# KiCad board HVC-CPU-07.kicad_pcb (continued)
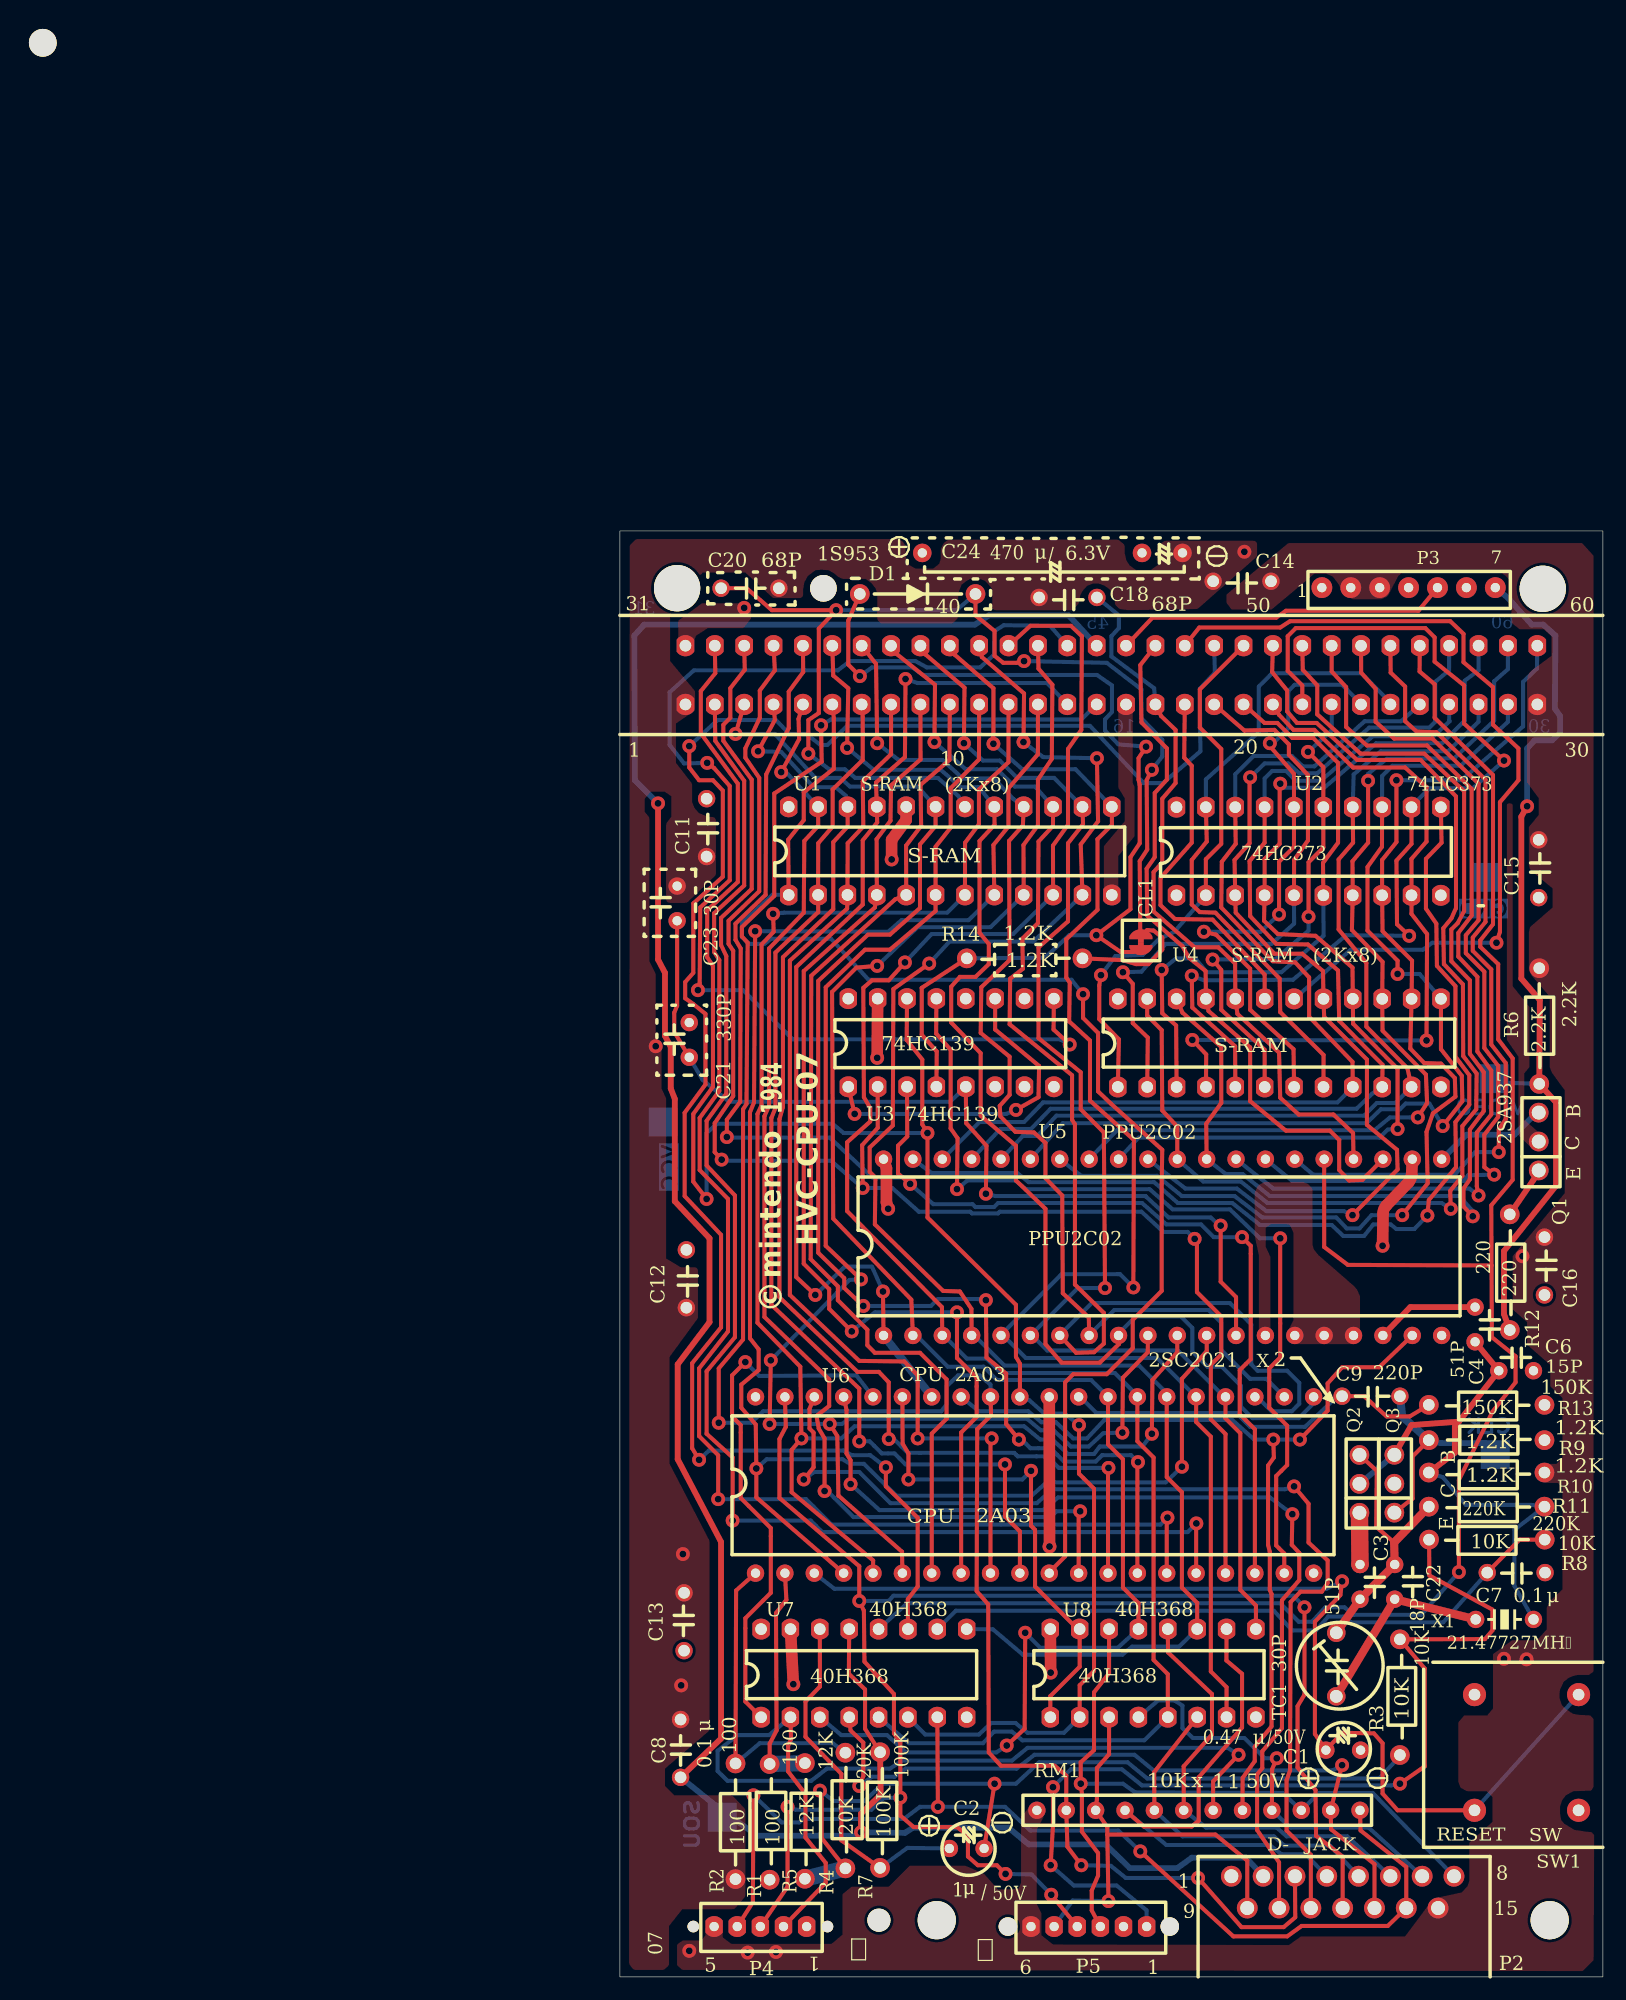
[diagram p0: board, top side]
## Routing (per net, layer and track width the routed paths; a pad name or vN(x,y) marks a point on that pad's centre or on a via; arc(x,y) is an arc through that point) (continued)
  Bottom w0.35: v1(40.05,84.95) 39.05,86.2 21.5,86.2 18.25,89.75 13.1,89.75 12.5,89.3 11.15,89.3 10.55,89.9 10.55,91.1 13.2,93.55 U1.1
/A8: length 103.4
  Top w0.35: U1.23 17.15,99.5 15.95,98.2 15.9,92 12.9,88.9 12.9,75.3 12.5,74.4 12.5,57.05 18.1,51.65 18.1,49.35 17,48.5 17.2,47.4 17.7,46.55 v1(17.7,42) ; v1(13.95,104.15) 15.5,107 15.45,108.75 P1.5 ; U6.12 39.67,40.12 v1(39.8,40.25)
  Bottom w0.35: v1(13.95,104.15) 14.55,103.95 U1.23 ; v1(39.8,40.25) 37.75,40.25 37.25,39.75 20.2,39.75 17.95,42 v1(17.7,42)
/A9: length 105.9
  Top w0.35: v1(11.95,105.95) 13.4,108.65 P1.4 ; U6.13 42.21,43.96 v1(42.25,44) ; U1.22 19.7,99.45 18.45,98.1 18.45,92.3 14.1,88.15 14.1,75.2 13.8,74.15 13.8,58.75 20.55,52.3 22.4,52.3 23.25,51.4 v1(23.25,46.5)
  Bottom w0.35: v1(11.95,105.95) 13.95,105.9 16.75,102.85 18.65,102.85 19.55,102.1 U1.22 ; v1(23.25,46.5) 23.7,46.5 24.9,45.3 34.1,45.3 34.4,45 36.95,45 37.95,44 v1(42.25,44)
/A10: length 118.2
  Top w0.35: v1(21.05,58) 19.4,59.55 19.4,60.4 17.15,62.6 17.15,86.1 21.45,90.1 23.35,90.1 25.95,92.4 25.95,97.9 27.3,99.5 U1.19 ; v1(34.5,46.45) 33.4,47.8 33.4,52.15 31.7,53.55 v1(31.65,58.5) ; v1(10,107.45) P1.3 ; v1(44.8,44.5) 44.75,44.45 U6.14
  Bottom w0.35: v1(34.5,46.45) 34.75,46.45 35.5,45.7 37.25,45.7 38.4,44.55 41.15,44.55 41.7,45.1 44.2,45.1 v1(44.8,44.5) ; v1(21.05,58) 26.9,58 27.5,58.6 30.9,58.6 v1(31.65,58.5) ; U1.19 25.75,102.9 19.9,102.9 19.05,103.65 16.9,103.65 13.4,107.45 v1(10,107.45)
/A11: length 118.7
  Top w0.35: U6.15 47.29,39.64 v1(47.35,39.7) ; v1(8.5,41.3) 8.5,45.1 6.85,46.75 6.85,52.6 9.35,55.8 9.35,67.25 6.9,69.75 6.9,74.25 8.6,76.6 8.6,87.9 8.15,88.6 8.15,91.95 10.75,94.35 10.75,103.4 8.25,106.85 P1.2
  Bottom w0.35: v1(47.35,39.7) 46.75,39.1 18.3,39.1 16.1,41.3 v1(8.5,41.3)
/A12: length 126.9
  Top w0.35: P1.33 10.8,113 9.55,111.4 9.55,108.85 8.95,108.25 8.95,106.85 11.4,103.5 11.4,94.05 8.75,91.55 8.75,89.2 9.2,88.25 9.2,76.35 7.5,74 7.5,70.15 9.95,67.55 9.95,55.3 7.5,52.35 7.5,46.95 9.75,44.9 v1(9.75,39.45) ; v1(49.85,39.2) 49.83,39.18 U6.16
  Bottom w0.35: v1(49.85,39.2) 49.1,38.45 17.5,38.45 16.5,39.45 v1(9.75,39.45)
/A13: length 131.2
  Top w0.35: v1(21,68.2) 20.95,71.9 22.3,73.4 U3.2 ; U6.17 52.37,46.93 51.1,48.2 51.1,52.9 52,53.8 52,57.1 49.9,59.2 49.9,63.6 v1(49.7,63.8) ; P1.34 13.4,112.95 12.1,111.2 12.1,108.85 10.85,106.2 10.85,105.4 12.05,103.65 12.05,93.85 9.4,91.3 9.4,89.3 9.8,88.7 9.8,76.15 8.2,73.8 8.2,71.3 v1(8.8,70.65)
  Bottom w0.35: v1(49.7,63.8) 49.1,64.4 47,64.4 45.1,66.15 32.85,66.15 32.7,66 30.45,66 30.3,66.15 25.85,66.15 23.55,68.2 v1(21,68.2) 18.25,70.55 8.9,70.55 v1(8.8,70.65)
/A14: length 132.7
  Top w0.35: U3.3 24.85,72.65 24.05,71.85 24.05,69.45 v1(25.1,68.55) ; v1(53.8,63.95) 54.55,63.2 54.55,53.4 53.6,52.45 53.6,48.65 54.91,47.34 U6.18 ; v1(9.25,72.6) 9.25,74.1 10.4,75.65 10.45,88.9 10,89.65 10,91.05 12.6,93.55 12.65,103.95 14.6,107.95 14.6,111.1 15.85,112.8 P1.35
  Bottom w0.35: v1(9.25,72.6) 9.3,72.55 18.15,72.55 21.85,69.1 24.55,69.1 v1(25.1,68.55) 27.1,66.8 30.5,66.8 30.75,66.55 32.35,66.55 32.7,66.9 45.15,66.9 47.25,65.05 50.25,65.05 51.35,63.95 v1(53.8,63.95)
/A15: length 78
  Top w0.35: v1(29.15,68.1) 29.2,72.5 28.6,73.35 28.6,80.15 27.35,81.55 U3.13 ; U6.19 57.45,36.6 56.75,37.3 56.75,43.3 57.7,44.25 57.7,47.65 56.15,49.2 56.15,52.6 57.1,53.55 v1(57.1,63.85)
  Bottom w0.35: v1(57.1,63.85) 55.35,63.85 52.75,66.35 47.8,66.35 45.8,68.1 35.1,68.1 34.2,68.85 30.05,68.85 v1(29.15,68.1)
/ALE: length 86.4
  Top w0.35: U2.11 71.05,98.05 69.7,96.65 69.7,92.35 70.6,91.05 70.65,87.4 72.25,85.65 72.25,79.55 73.45,77.95 73.45,75.4 72.25,73.9 72.3,70 69.95,67.15 v1(69.83,65.82)
  Bottom w0.35: v1(69.83,65.82) 68.7,64.65 67.15,64.65 66.65,65.05 65.15,65.05 64.35,64.05 62.55,64.05 61.55,65 55.35,65 52.95,66.9 48.25,66.9 46.2,68.7 35.35,68.7 34.35,69.5 26.95,69.5 U5.39
/Audio and Video/AUX_SND: length 30.7
  Top w0.35: R7.1 19.15,11.8 19.15,17.55 16.05,20.75 16.05,23.8 17.3,25.1 U7.14
  Bottom w0.35: R7.1 24.85,11.15 C2.1
/Controllers/4016_CUP: length 93
  Top w0.35: RM1.12 64.05,12.65 68,9.5 P2.14 66.4,4.4 58.95,4.4 57.7,3.5 53.05,3.5 v1(45,10.85) ; P4.4 11.5,6.45 v1(11.55,15.7) ; v1(27.5,14.7) U7.7
  Bottom w0.35: v1(11.55,15.7) 14,13.35 15.5,13.35 15.9,13.65 24.55,13.65 25.95,14.7 v1(27.5,14.7) 33.3,14.7 35.5,12.65 43.1,12.65 v1(45,10.85)
/Controllers/4016_D0: length 82
  Top w0.35: P4.2 17.8,8.15 17.8,9.85 16.05,12.05 16.05,15.8 14.55,17.75 14.55,20 14.8,20.55 U7.2 ; RM1.7 51.3,16.9 v1(53.5,19.2)
  Bottom w0.35: U7.2 12.9,20.9 10.2,20.9 8.45,19.55 8.45,17.8 9.3,16.95 16.55,16.95 17.9,18 23.35,18 24.4,18.7 33.9,18.7 35.25,19.8 52.55,19.8 v1(53.5,19.2)
/Controllers/4016_D1: length 64
  Top w0.35: v1(62.45,18.3) RM1.11 61.5,12.75 65.25,9.75 P2.13 ; U7.4 19.95,21.3 21.05,20.25 21.05,17.35 v1(20.7,16.5)
  Bottom w0.35: v1(62.45,18.3) 61.65,17.85 46.15,17.85 44.5,19.2 35.85,19.2 34.3,18 24.7,18 23.75,17.3 21.8,17.3 v1(20.7,16.5)
/Controllers/4016_D2: length 57.8
  Top w0.35: C7.1 77.8,37.8 R8.2
  Bottom w0.35: U7.10 29.05,31.65 56.55,31.65 58.15,29.95 60.2,29.95 61.25,31.15 62.55,31.15 63.2,30.65 71.2,30.65 C7.1
/Controllers/4017_CUP: length 39.5
  Top w0.35: 42.15,12.3 42.15,12.95 RM1.3 41.25,15.35 41.25,18.05 42.3,19.25 U8.3 ; 42.15,12.3 51.5,12.3 54.25,10.05 P2.9 ; 42.15,12.3 v1(42.25,6.55)
  Bottom w0.35: P5.5 39.15,6.6 v1(42.25,6.55)
/Controllers/4017_D0: length 64.2
  Top w0.35: U8.14 42.3,26.25 41,24.6 41,19.6 39.85,18.55 v1(39.85,16.7) 39.95,15.85 39.95,12.55 41.35,10.7 41.35,8.75 40.8,7.45 40.8,5.75 P5.3
  Bottom w0.35: P2.8 65.1,15.9 60.45,15.9 RM1.10 57.3,15.9 44.55,15.95 43.5,16.7 v1(39.85,16.7)
/Controllers/4017_D1: length 35.4
  Top w0.35: v1(56.8,18.9) 56.4,17.95 RM1.9
  Bottom w0.35: P2.7 64.75,12.9 58,12.9 RM1.9 ; v1(56.8,18.9) 55.75,18.9 54,20.65 49.55,20.65 48.65,21.5 48.65,23.45 47.95,23.9 46.55,23.9 U8.4
/Controllers/4017_D2: length 38.3
  Top w0.35: RM1.6 48.75,18.2 51.2,20.95 51.2,24.45 47.4,28.05 U8.12
  Bottom w0.35: P2.6 62.9,12.15 57.65,12.15 56.8,12.9 50.7,12.9 RM1.6
/Controllers/4017_D3: length 29.3
  Top w0.35: RM1.5 46.2,17.7 U8.6
  Bottom w0.35: RM1.5 48.65,12.15 56.55,12.15 57.45,11.35 61.4,11.35 P2.5
/Controllers/4017_D4: length 45.3
  Top w0.35: RM1.4 45.3,13 49.45,13 50.05,13.5 50.05,17.25 53.8,21.55 53.8,26.2 52.45,27.35 U8.10
  Bottom w0.35: P2.4 59.3,10.6 57.2,10.6 56.2,11.4 47.25,11.4 RM1.4
/CPU_CLK: length 33.4
  Top w0.35: R13.1 68.3,48.45 66.3,48.45 64.35,50.2 C9.1
  Bottom w0.35: U6.29 39.81,50.14 41.2,48.75 53.3,48.75 54.5,47.55 59.25,47.55 62.05,50.2 C9.1
/CPU_SND1: length 27.6
  Top w0.35: R2.1 10.05,33.4 U6.1
  Bottom w0.35: R2.1 12.1,20.2 18.4,20.2 R4.1
/CPU_SND2: length 20
  Top w0.35: U6.2 14.4,32.6 13.5,31.45 13.55,21.3 12.95,20.15 R1.1
  Bottom w1.4: R5.1 R1.1
/D0: length 154.2
  Top w0.35: U5.2 25.2,58.55 18.45,65.55 18.35,85.15 20.45,87.25 v1(22.25,87.4) ; v1(35.05,29.75) 35,21.45 v1(33.45,20) ; U6.28 42.21,46.04 43.5,44.75 43.5,33.65 44.84,32.31 U8.13 ; U1.9 34.9,97.85 36.15,99.55 36.15,103.5 37.35,105.3 37.4,111.7 36.2,113.1 P1.43
  Bottom w0.35: U6.28 40.75,51.6 32.6,51.6 31.45,52.75 28.35,52.75 25.65,55.45 U5.2 ; U7.3 19.15,20.9 23.1,20.9 24.75,19.4 32.55,19.4 v1(33.45,20) ; v1(22.25,87.4) 25.75,90.75 32.05,90.75 U1.9 ; v1(35.05,29.75) 36.35,28.45 43.05,28.45 U8.13
/D1: length 160
  Top w0.35: v1(24.65,87.7) 23.25,86.15 21.8,86.15 21.05,85.5 21.1,76.05 21.65,75.1 21.65,73.95 19.65,72.15 19.65,66.2 27.85,57.9 U5.3 ; P1.42 35.5,116.8 39,116.8 39.95,115.9 39.9,107.8 38.75,106.15 38.75,99.6 37.45,97.8 U1.10 ; U8.5 47.38,26.17 46.15,27.4 46.15,44.9 44.75,46.3 U6.27
  Bottom w0.35: U6.27 44.75,50.25 42.8,52.2 32.95,52.2 31.7,53.45 30,53.45 28,55.45 U5.3 ; U7.5 25,20.2 31.4,20.2 32.35,21.2 33.9,21.2 34.8,20.45 45.35,20.45 U8.5 ; v1(24.65,87.7) 26.95,90.15 34,90.15 U1.10
/D2: length 145.9
  Top w0.35: v1(41.25,105.35) 41.35,99.9 39.85,97.9 U1.11 ; v1(26.75,87.6) 23.65,85.4 23.6,73.6 21.6,71.7 21.6,69.6 22.1,69.1 22.05,65.05 27.95,59.3 29.4,59.25 30.4,57.75 U5.4 ; P1.41 31.3,114.1 34.95,110.95 v1(34.9,106.75) ; U6.26 47.29,43.21 48.6,41.9 48.6,33.65 49.92,32.33 U8.11
  Bottom w0.35: U8.11 48.35,28.55 44.3,28.55 43.45,27.85 34.85,27.85 32.25,30.05 U7.9 ; U5.4 30.65,55.45 33.25,52.85 44.9,52.85 47.29,50.46 U6.26 ; v1(41.25,105.35) 36.6,105.45 v1(34.9,106.75) ; U1.11 35.75,89.5 28.5,89.5 v1(26.75,87.6)
/D3: length 130.4
  Top w0.35: v1(32.3,106.6) 32.3,111.4 28.95,114.3 P1.40 ; U6.25 49.83,47.97 51.1,46.7 51.1,26.4 52.46,25.04 U8.7 ; U1.13 42.55,99.6 41.3,98.35 41.3,92.25 38.6,89.7 38.6,86.4 38.9,85.95 38.85,82.6 40.65,80.95 40.65,75.75 44.45,72.35 v1(44.4,59.6)
  Bottom w0.35: v1(44.4,59.6) 43.25,60.75 38.2,60.75 32.96,55.51 U5.5 33.15,55.45 35.1,53.5 46.45,53.5 49.81,50.14 U6.25 ; U1.13 39.4,104.4 34.8,104.4 v1(32.3,106.6)
/D4: length 116.8
  Top w0.35: U1.14 40.05,99.65 38.75,98 38.75,91.25 36.2,89 36.2,81.15 39.85,78.2 39.85,75 41.85,73 v1(41.95,59.55) ; P1.39 26.45,114.3 29.8,111.45 v1(29.75,106.65) ; U6.24 52.37,48.28 53.65,47 53.65,33.45 55,32.1 U8.9
  Bottom w0.35: U6.24 52.26,50.14 48.25,54.15 36.95,54.15 35.65,55.45 U5.6 39.6,59.55 v1(41.95,59.55) ; U1.14 37.55,103.65 34.35,103.65 32.85,105.15 31.4,105.15 v1(29.75,106.65)
/D5: length 112.2
  Top w0.35: P1.38 23.95,114.35 27.25,111.7 v1(27.2,106.75) ; U5.7 39.45,53.95 41,54 41.85,54.75 41.85,57.4 39.35,59.85 39.35,73.7 39.1,74.1 39.1,77.95 33.7,82.35 33.75,86.3 34.85,87.15 34.8,89.75 36.15,91.1 36.2,98.15 37.45,99.5 U1.15
  Bottom w0.35: v1(27.2,106.75) 29.9,104.4 32.6,104.4 34.15,102.9 35.9,102.9 U1.15 ; U6.23 55.11,50.14 56.35,48.9 58.1,48.9 58.75,49.55 58.75,51.35 57.7,52.4 55.15,52.4 54.6,52.95 54.6,56.4 52.75,58.25 40.8,58.25 38.04,55.49 U5.7
/D6: length 98.7
  Top w0.35: v1(22.25,106.65) 22.15,113.5 P1.37 ; U1.16 34.85,99.55 33.65,98.2 33.7,87.9 31.25,85.55 31.2,81.6 33.7,79.55 33.7,76.25 32.85,75.3 32.9,74.4 34.2,73.05 35.8,73 36.8,72.1 36.8,69.05 38.25,67.55 38.3,59.1 40.55,57 U5.8
  Bottom w0.35: v1(22.25,106.65) 24.1,105.2 27.9,105.2 29.65,103.6 32.35,103.6 34,101.85 U1.16 ; U6.22 57.45,50.15 55.9,51.7 54.5,51.7 52,54.2 52,56.55 50.9,57.65 42.75,57.65 40.58,55.48 U5.8
/D7: length 110.3
  Top w0.35: v1(19.65,106.25) 19.75,111.4 18.45,112.5 P1.36 ; U1.17 32.4,99.6 31.1,98.2 31.1,90.25 31.9,89.3 31.9,87.55 30.75,86.45 29.4,86.45 28.65,85.6 28.65,82.5 31.2,79.85 31.2,74.45 34.25,71.85 34.25,68.85 36.8,66.4 36.8,54.7 38.2,53.1 41.5,53.1 43.15,54.7 U5.9
  Bottom w0.35: v1(19.65,106.25) 21.95,104.35 27.75,104.35 29.45,102.85 31.05,102.85 U1.17 ; U5.9 43.12,55.62 44.6,57.1 48.5,57.1 49.5,56.1 49.5,54.05 50.8,52.75 52.05,52.75 53.7,51.1 53.7,49.3 54.7,48.3 58.7,48.3 59.99,49.59 U6.21
/MIC: length 82.8
  Top w0.35: 67.5,29.13 69.6,26.65 69.6,18.2 v1(67.45,16.7) ; v1(37.45,16.4) 37.45,13.1 v1(37.25,9.65) ; R3.1 74.8,29.2 75.45,29.95 75.45,31.75 70,34.7 R8.1
  Bottom w0.35: P5.1 45.55,5.75 42.95,7.9 39.25,7.9 v1(37.25,9.65) ; v1(67.45,16.7) 66.7,16.55 45.15,16.55 43.4,17.95 39,17.95 v1(37.45,16.4)
/OUT0: length 149.4
  Top w0.35: P5.4 v1(37.3,7.1) ; v1(59.2,31.95) 59.2,24.4 58.6,23.4 58.6,18.1 60.15,16.15 60.2,12.2 62.5,10.4 P2.12 ; v1(14.5,14.7) 14.5,7.8 P4.3 ; U6.39 14.35,47.55 13.8,46.5 13.8,41.4 20.7,35.5 v1(20.7,32.5) 21.1,31.65 21.15,27.25 23.7,24.45 23.7,21.05 24.25,20.25 v1(24.25,15.5) 24.25,13.95 25.4,12.95 29.15,12.95 30.1,12.2 30.1,10.4 30.95,9.65 32.6,9.65 v1(33.35,8.9)
  Bottom w0.35: v1(59.2,31.95) 58.25,32.95 23.65,32.95 23.25,32.5 v1(20.7,32.5) ; v1(33.35,8.9) 35.6,8.85 v1(37.3,7.1) ; v1(14.5,14.7) 15.2,14.45 21.75,14.45 22.8,15.45 v1(24.25,15.5)
/OUT1: length 92.8
  Top w0.35: P2.11 59.75,10.55 57.65,12.65 57.65,17 57.95,17.85 58,32.4 58.85,33.3 60.7,33.3 61.2,34.05 61.2,36 59.55,37.55 59.55,40.9 v1(58.3,42.4) ; U6.38 16.4,49.1 16.4,47.4 16.75,47.05 16.75,44.05 v1(15.9,43)
  Bottom w0.35: v1(58.3,42.4) 57.5,42.15 37.4,42.15 36.05,40.95 23.4,40.95 20.7,43.65 16.8,43.65 v1(15.9,43)
/OUT2: length 83.8
  Top w0.35: v1(58.15,40) 58.1,37.35 58.75,36.65 58.75,34.3 57.25,32.55 57.25,21.5 55.55,19.5 55.55,18.05 55.1,17.5 55.1,12.7 57,9.9 P2.10 ; v1(19.95,42.6) 19.95,44.65 19.6,45.25 19.6,49 U6.37
  Bottom w0.35: v1(19.95,42.6) 22.45,40.35 36.6,40.35 37.9,41.45 56.2,41.45 v1(58.15,40)
/PA0: length 55.6
  Top w0.35: U4.8 60.85,79.7 57.1,83.4 57.05,86.3 51.5,92 50.15,92.05 49.45,92.7 49.45,96.55 50.75,98.15 U2.19
  Bottom w0.35: P1.25 66.63,110.17 64.1,112.7 56.4,112.7 55.25,111.55 55.25,107.6 50.67,103.52 U2.19
/PA1: length 52.9
  Top w0.35: v1(50.5,90.35) 51.55,90.1 54.5,87.15 54.5,83.6 58.25,80.2 U4.7 ; v1(56.2,106.65) 56.2,106.4 58.29,104 U2.16 58.29,97.69 57,96.4 v1(57,91.85)
  Bottom w0.35: v1(56.2,106.65) 56.5,106.65 57.8,107.95 57.8,111.15 58.35,111.7 62.45,111.7 64.09,110.06 P1.24 ; v1(57,91.85) 55.4,90.35 v1(50.5,90.35)
/PA2: length 43.7
  Top w0.35: v1(51.25,87.95) 52,87.05 52,83.6 55.75,80.15 U4.6 ; v1(59.55,91.65) 59.55,96.35 60.83,97.63 U2.15 60.83,104.57 v1(59.5,105.9)
  Bottom w0.35: v1(51.25,87.95) 56.7,88 59.55,90.45 v1(59.55,91.65) ; P1.23 61.55,107.75 v1(59.5,105.9)
/PA3: length 86.4
  Top w0.35: U4.5 53.2,80.45 49.5,83.8 v1(49.45,86.55) ; v1(76.45,105.15) 73,108.35 73,111.65 70.45,113.7 70.45,115.8 69.65,116.6 58.45,116.6 57.75,115.9 57.75,112.9 59.01,111.64 P1.22 ; v1(68.25,90) 67.2,91 67.15,96.5 68.45,97.95 U2.12
  Bottom w0.35: v1(76.45,105.15) 73.75,102.75 70,102.75 68.45,101.2 U2.12 ; v1(68.25,90) 62.8,90.05 58.2,86.2 50.5,86.15 v1(49.45,86.55)
/PA4: length 64
  Top w0.35: v1(69.75,80.95) 69.8,90.15 68.45,91.9 U2.9 68.45,96.65 69.75,98.15 69.75,102.85 67.9,104.55 63.4,104.55 60.05,107.8 58.25,107.8 57,109.1 P1.21 ; v1(49.5,81) 50.7,79.75 U4.4
  Bottom w0.35: v1(49.5,81) v1(69.75,80.95)
/PA5: length 52.3
  Top w0.35: v1(46.85,87.05) 46.9,83.3 48.1,82.25 U4.3 ; U2.6 60.8,96.3 62.1,98.05 62.1,104.95 59.95,107.1 58.15,107.1 56.85,108.4 55.75,108.4 P1.20
  Bottom w0.35: U2.6 60.85,90 57.2,86.85 50.75,86.85 49.75,88.05 48.1,88.05 v1(46.85,87.05)
/PA6: length 51.7
  Top w0.35: U4.2 45.65,81.2 44.35,82.45 44.35,85.85 v1(43.5,86.85) ; P1.19 54,107.75 56.6,107.8 57.85,106.55 57.85,105.65 59.5,103.9 59.5,98.25 58.3,96.55 U2.5
  Bottom w0.35: v1(43.5,86.85) 45.1,86.9 47.2,89.3 56.35,89.3 58.3,91.05 U2.5
/PA7: length 46.9
  Top w0.35: v1(41.6,86.6) 41.45,85.7 41.45,82.8 43.15,81.05 U4.1 ; U2.2 50.67,96.62 52,97.95 52,106.15 50.15,108 50.15,111.3 P1.50
  Bottom w0.35: v1(41.6,86.6) 42.85,88.25 45.2,88.35 46.6,89.7 47.95,90.35 U2.2
/PA8: length 101.7
  Top w0.35: U4.23 45.6,83.1 46.85,81.85 46.9,74.9 48.2,73.5 U5.30 ; P1.51 56.4,112.8 57.7,111.2 57.7,109.4 58.55,108.4 60.25,108.4 63.75,105.2 69.25,105.2 72.3,102.05 72.3,92.4 71.9,91.5 71.2,90.65 71.25,87.55 72.9,85.8 72.92,79.61 74.09,78.09 74.05,75 72.85,73.55 72.85,69.25 71.8,67.95 v1(71.85,66.4)
  Bottom w0.35: v1(71.85,66.4) 71.05,66.9 56,66.9 53.7,68.75 50.45,68.75 U5.30
/PA9: length 101.8
  Top w0.35: U4.22 48.65,83.35 52,80.4 52,75.55 50.7,73.75 U5.29 ; P1.52 59.05,113 60.3,111.65 60.3,109.15 64.05,105.75 69.55,105.75 73,102.5 73,92.15 72.45,91.1 71.9,90.55 71.9,87.8 73.5,86.15 73.5,79.8 74.7,78.2 74.7,74.85 73.5,73.25 73.5,68.95 72.95,68.15 72.95,66.6 v1(73.75,65.75)
  Bottom w0.35: U5.29 52.4,69.4 53.85,69.4 56.2,67.5 72.6,67.5 73.65,66.3 v1(73.75,65.75)
/PA10: length 79.6
  Top w0.35: v1(74.25,67.55) 74.1,68.35 74.1,73 75.35,74.55 75.35,78.35 74.15,80 74.15,86.45 72.5,88.2 72.5,90.25 73.65,91.75 73.65,102.7 69.8,106.45 64.6,106.45 62.8,108.05 62.8,111.5 61.55,112.85 P1.53
  Bottom w0.35: U5.28 56.5,68.15 73.45,68.15 v1(74.25,67.55)
/PA11: length 74.9
  Top w0.35: P1.54 64.1,112.75 65.35,111.35 65.35,108.5 66.95,107.05 70.25,107.05 74.25,103.15 74.25,91.35 73.15,90.05 73.15,88.5 74.75,86.9 74.75,80.3 75.95,78.75 75.95,74.35 74.75,72.8 74.75,70 v1(75.6,69.35)
  Bottom w0.35: U5.27 58.15,68.8 72.95,68.8 73.35,69.3 v1(75.6,69.35)
/PA12: length 68.9
  Top w0.35: v1(76,71.3) 76,73.25 76.6,74.15 76.6,79 75.35,80.6 75.35,87.1 73.75,88.7 73.75,89.85 74.85,91.2 74.85,103.5 70.6,107.6 68.9,107.65 67.9,108.55 67.9,111.55 66.65,112.75 P1.55
  Bottom w0.35: U5.26 59.95,69.35 72.2,69.35 73.95,71.3 v1(76,71.3)
/PA13: length 164
  Top w0.35: U5.25 60.9,63.1 62.95,61.55 75.37,61.5 ; v1(72.55,35) 72.55,42.95 75.45,48.85 77.45,51.4 77.45,53.65 75.4,55.3 75.37,61.5 ; 75.37,61.5 75.35,66.7 77.2,68.9 77.2,79.4 75.95,81.05 75.95,87.55 74.4,89.05 74.4,89.6 75.5,91 75.5,103.9 70.45,108.85 70.45,111.75 69.15,112.85 P1.56
  Bottom w0.35: v1(72.55,35) 69.3,31.3 63.45,31.3 62.65,31.95 61,31.95 59.85,30.7 58.7,30.7 57.1,32.3 24.85,32.3 U7.12
/PD0: length 90.2
  Top w0.35: U2.18 53.25,97.95 52.05,96.4 52,92.45 56.45,87.8 58.4,87.7 59.6,86.4 59.6,83 63.35,79.1 U4.9
  Bottom w0.35: U4.9 62.05,75.6 36.6,75.6 34.95,73.9 31.1,73.9 U5.38 ; U2.18 53.21,103.96 54.8,105.55 58.1,105.55 59.05,104.65 60.05,104.65 64.4,108.55 67.55,108.55 P1.26
/PD1: length 91.5
  Top w0.35: U4.10 65.95,78.85 62.2,82.65 62.1,87 59.5,89.25 56.75,89.3 54.5,91.7 54.45,96.45 55.75,98.05 U2.17
  Bottom w0.35: U4.10 65.05,76.35 63.7,75.05 37.25,75.05 35.55,73.3 32.9,73.3 U5.37 ; U2.17 55.75,103.6 56.4,104.25 57.6,104.25 58.45,103.4 60.6,103.4 65.1,107.25 70.35,107.25 71.75,108.55 71.71,108.59 P1.27
/PD2: length 82.1
  Top w0.35: U4.11 68.1,78.55 64.55,82.15 64.55,87.65 62.15,90.55 62.15,96.6 63.4,98.05 U2.14
  Bottom w0.35: U5.36 34.85,72.7 36.1,72.7 37.75,74.45 64.35,74.45 65.45,75.55 67.05,75.55 U4.11 ; U2.14 63.45,103.95 65.8,105.95 71.6,105.95 74.25,108.5 P1.28
/PD3: length 88.6
  Top w0.35: U4.13 71,80.2 72.8,77.9 72.85,75.7 v1(71.15,73.55) ; U2.13 65.9,97.7 64.65,95.95 64.65,90.45 67.25,87.85 v1(67.25,86.7)
  Bottom w0.35: U5.35 38.3,73.8 64.55,73.8 65.8,75 67.45,75 67.95,75.5 70,75.5 v1(71.15,73.55) ; U2.13 65.91,103.81 66.8,104.7 72.7,104.7 76.79,108.5 P1.29 ; U4.13 69.15,86.7 v1(67.25,86.7)
/PD4: length 95.8
  Top w0.35: v1(67.15,103.45) 67.15,98.1 65.91,96.55 U2.8 65.95,90.4 68.5,87.85 U4.14 68.35,80.25 69.55,79 71,78.95 72.2,77.7 72.25,76.1 70.3,74.65 69.75,73.05 69.85,68.6 v1(67.65,65.85)
  Bottom w0.35: U5.34 39.9,69.25 46.45,69.25 48.6,67.5 53.15,67.5 55.55,65.65 61.95,65.65 62.85,64.7 63.95,64.7 65,65.85 v1(67.65,65.85) ; v1(67.15,103.45) 72.75,103.45 78.1,108.1 78.1,111.95 79.3,113.1 P1.60
/PD5: length 82.6
  Top w0.35: v1(64.7,103.4) 64.7,98.05 63.35,96.45 U2.7 63.3,90.5 65.95,87.75 U4.15 65.95,81.8 69.7,78 69.8,75.55 v1(69,74.3)
  Bottom w0.35: P1.59 76.79,113.05 75.6,112 75.6,108.6 72.15,105.35 66.3,105.3 64.7,104 v1(64.7,103.4) ; v1(69,74.3) 66.6,74.3 65.25,73.2 43,73.2 U5.33
/PD6: length 87.7
  Top w0.35: v1(67.25,73.3) 67.25,78.5 63.4,82.4 U4.16 63.35,87.25 60.15,90 56.9,90.15 55.7,91.3 U2.4 55.75,96.65 57.05,97.95 57.05,103.1 v1(57.1,103.15)
  Bottom w0.35: v1(67.25,73.3) 66.4,73.25 65.7,72.55 44.85,72.55 U5.32 ; v1(57.1,103.15) 57.45,102.8 60.9,102.8 65.4,106.65 71.1,106.65 73.05,108.6 73.05,112.05 74.25,112.95 P1.58
/PD7: length 92.3
  Top w0.35: v1(63.35,65.85) 67.25,69.8 67.2,71.5 64.6,73.65 64.6,79.3 60.9,83 U4.17 60.8,86.95 59,88.45 56.6,88.45 53.25,92 U2.3 53.15,96.55 54.45,98 54.45,103.65 v1(54.5,103.7)
  Bottom w0.35: P1.57 71.7,112.95 70.5,111.95 70.5,108.5 70,108 64.8,108 60.3,104.05 58.75,104.05 57.8,104.9 55.75,104.9 v1(54.5,103.7) ; v1(63.35,65.85) 62.6,66.2 55.9,66.2 53.35,68.15 48.9,68.15 U5.31
/PPU_CLK: length 9
  Top w0.5: C4.1 68.35,57.9 U5.18
/PPU_VIDEO: length 10.1
  Bottom w0.5: Q1.3 79.26,74.71 77.35,72.8 73.2,72.8 71.09,70.69 U5.21
/R/~{W}: length 91.7
  Top w0.35: v1(16.9,58.95) 15.25,60.5 15.25,87.3 21,92.7 21,98.25 22.25,99.8 U1.21 22.15,103.25 24.65,105.45 v1(24.7,112.2) ; U5.1 v1(22.75,59.25)
  Bottom w0.35: P1.14 36.95,111.85 25.75,111.85 v1(24.7,112.2) ; v1(22.75,59.25) 21.8,61.4 19.45,61.4 v1(16.9,58.95)
  Bottom w0.7: U5.1 U6.34
/RF_AUDIO: length 29.1
  Top w0.35: P1.46 46.05,117.5 56.75,117.5 57.6,118.1 69.05,118.1 P3.5
/RF_VIDEO: length 76.1
  Top w0.5: R12.1 76.45,57.3 76.45,62.75 80.95,68.4 80.95,75.6 R6.2 79.55,84.45 77.95,86.3 77.95,100.3 v1(78.45,101.2)
  Bottom w0.35: TP4.1 76.5,77.3 R6.2
  Bottom w0.5: P3.7 76.75,119.25 78.85,116.9 79.85,116.9 80.9,115.95 80.85,109.65 81.3,109 81.3,107.55 80.6,106.9 79.1,106.9 78.45,106.2 v1(78.45,101.2)
/SOUND: length 220.1
  Top w0.35: R7.2 21.2,21.45 21.2,24.85 19.8,26.2 U7.13
  Top w0.5: v1(3.3,101.45) 3.3,87.95 3.9,86.8 3.9,81.35 4.4,80.4 4.4,76.8 4.75,75.9 4.75,67.05 7.75,63.85 7.75,56.6 5,52.95 5,44.75 8.75,37.6 8.75,20.6 C8.1 ; v1(20.85,12.5) 20.85,14.1 22.55,15.75 R7.2
  Bottom w0.5: C8.1 8.85,14.35 11.9,12.2 20.3,12.2 v1(20.85,12.5) 24.65,12.45 25.35,12.9 33.6,12.9 35.35,11.45 42,11.45 44.1,9.4 48.2,9.4 49.45,10.3 54.15,10.3 P2.2 ; P1.45 38.8,117.7 31.9,117.7 30.7,116.9 2.1,116.9 1.25,115.95 1.3,103.45 v1(3.3,101.45)
/VA10: length 32.3
  Top w0.35: P1.18 48.8,105.4 49.45,104.7 49.45,98.05 46.75,95 46.75,92.65 48,91.45 51.25,91.4 55.75,86.65 U4.19
/~{INP0}: length 46.5
  Top w0.35: v1(10.85,53.15) 9.7,52 9.7,48.45 10.45,47.7 10.45,41.4 13.05,38.8 13.05,33.2 10.85,31 10.85,23.81 U7.1
  Bottom w0.35: U6.36 20.45,52 12.05,51.95 v1(10.85,53.15)
/~{INP1}: length 42.4
  Top w0.35: U6.35 24.45,46.1 24.95,45.25 v1(24.95,43) ; v1(35.55,43.75) 35.55,39 35.9,38.65 35.9,33.75 39.58,30.07 U8.15 39.76,26.81 37.22,24.27 U8.1
  Bottom w0.35: v1(35.55,43.75) 34.8,43 v1(24.95,43)
/~{IRQ}: length 188.6
  Top w0.35: P2.3 58.4,5.15 57.4,4.3 53.75,4.3 v1(50,8.55) ; v1(39.9,9.65) 38.7,11.25 RM1.2 38.6,17.4 37.6,18.25 32.95,18.25 31.9,19.4 31.85,32.2 30.85,33.35 30.9,47.35 32.1,48.55 U6.32 ; v1(8.55,47.9) 8.55,52.6 10.65,55.1 10.65,75 10.95,75.47 11.05,89.4 10.55,89.95 10.55,90.75 13.35,93.45 13.35,102.3 17.45,105.05 v1(17.4,108.2)
  Bottom w0.35: U6.32 32.05,51.2 31.1,52 29.25,52 28.25,51.05 28.25,49.5 27.8,48.9 12.4,48.9 11.35,47.9 v1(8.55,47.9) ; v1(50,8.55) 43.75,8.55 42.45,9.6 v1(39.9,9.65) ; P1.15 39.9,108.7 18.25,108.7 v1(17.4,108.2)
/~{NMI}: length 80
  Top w0.35: RM1.8 53.85,17.2 54.9,18.65 54.9,19.9 56.35,21.65 56.35,33.1 56.2,33.45 56.2,36.75 56.05,37.35 56.05,44.2 56.55,44.9 v1(56.5,46.45) ; U5.19 65.65,52.7 62.45,52.7 61.2,51.3 61.2,48.95 v1(58.8,46.45)
  Bottom w0.35: v1(58.8,46.45) v1(56.5,46.45) 54.85,46.45 52.95,48.15 41.9,48.15 40.4,46.55 39.2,46.55 37.7,47.95 36.45,47.95 35.3,48.9 31.05,48.9 U6.33
/~{PA13}: length 160.4
  Top w0.35: v1(23,44.05) 23,42.4 25.75,39.7 25.75,33.75 24.9,32.65 U7.11 ; v1(6,106.4) 6,104.55 6.85,103.45 8.05,103.45 8.9,102.55 8.9,95.1 6.35,92.8 6.35,86.8 5.65,86 5.65,84.6 6.35,84.1 7.4,83.25 7.4,77.15 5.6,74.7 5.6,67.5 8.75,64.15 8.75,56.15 6.25,53.05 6.25,45.7 v1(6.85,44.7)
  Bottom w0.35: P1.49 51.45,112.75 50.15,111.35 50.2,105.95 46.95,103.2 45.3,103.2 40.65,108.15 19.65,108.15 17.95,106.5 17.35,106.5 16.1,107.45 14.65,107.45 13.5,108.65 8.45,108.65 v1(6,106.4) ; v1(23,44.05) 21.65,45.1 20.05,45.1 19.35,45.5 7.7,45.5 v1(6.85,44.7)
/~{PR}: length 63.2
  Top w0.35: U5.24 63.4,72.95 61.7,74.55 58.7,74.55 57.1,76 57,79.9 53.4,83.25 U4.20 53.2,87.6 51.75,89 49.7,89 46.15,92.1 46.15,95.5 46.9,96.35 46.9,101.85 48.05,103.2 48.05,107.8 46.8,109 P1.17
  Bottom w0.35: C18.1 43.15,117.7 43.15,116.6 42.5,115.9 42.5,114.15 46.2,111.4 P1.17
/~{PW}: length 61.7
  Top w0.35: U5.23 64.2,68.9 63.05,68.85 62.2,69.75 62.2,72.35 61.4,73.15 57.6,73.15 54.5,75.7 54.5,80.35 50.9,83.5 U4.21 50.65,86.95 49.2,88.1 48.65,89.1 45.6,91.75 45.55,95.8 46.25,96.8 46.25,102.35 47.3,103.5 47.3,106.2 45.1,108.45 45,113.4 P1.47
/~{RST}: length 94.4
  Top w0.35: v1(62.45,34.2) 62.3,33 60.1,30.7 60.1,21 C1.1 62.45,21.1 65.2,21.05 65.95,20.2 65.95,15.85 67.25,14.4 SW1.3
  Bottom w0.35: SW1.3 SW1.2 ; U6.3 18.55,33.55 61.1,33.55 v1(62.45,34.2)
/~{VCS}: length 74.2
  Top w0.35: v1(75.8,89.4) 76.1,90.35 76.1,101.55 77.7,103.45 77.7,106.2 75.5,108.25 75.5,111.5 72.95,113.65 72.95,116.1 71.8,117.2 57.95,117.2 57.1,116.65 50.1,116.65 P1.48
  Bottom w0.35: U4.18 63.2,88.8 69.45,88.8 70.25,89.4 v1(75.8,89.4)
/Φ2: length 164.3
  Top w0.35: U6.31 34.6,53 34.25,53.6 34.25,58.1 26.6,65.65 v1(26.6,72.95) 26.15,73.7 26.15,79.3 24.8,81 U3.14 ; v1(39.7,47.7) 39.7,43.5 41,42.2 41,26.45 39.76,25.21 U8.2 ; v1(7.5,67.25) 6.35,68.75 6.35,74.6 8.05,76.95 8.05,87.4 7.55,88.15 7.55,92.2 10.2,94.65 10.2,103.15 7,107.5 7,111.15 8.25,112.7 P1.32
  Bottom w0.35: v1(39.7,47.7) 38.45,48.7 36.7,48.7 35.4,49.85 U6.31 ; U7.6 26.4,20.95 31.05,20.95 32.1,21.95 34.2,21.95 35.25,21.1 38.4,21.1 U8.2 ; v1(7.5,67.25) 7.5,72.95 8.4,73.75 18.4,73.75 19.35,72.95 v1(26.6,72.95)
Net-(C2-Pad2): length 69.9
  Top w0.35: v1(17.3,16.1) 17.45,15.4 17.45,12 R4.2 ; C2.2 v1(32.4,16.7)
  Bottom w0.35: v1(17.3,16.1) 18.5,15.2 21.15,15.2 22.75,16.7 v1(32.4,16.7) 34.25,16.7 36.25,18.55 43.9,18.55 45.6,17.15 65.65,17.15 67.5,19.13
  Bottom w1.4: R5.2 R4.2
Net-(C22-Pad1): length 17
  Top w0.7: X1.1 C22.1 TC1.1
Net-(Q1-E): length 4.5
  Top w0.5: R12.2 79,68.9 Q1.1
Net-(Q2-B): length 22.9
  Top w0.35: 66.95,37.55 65.4,38.9 65.45,43.75 Q2.3
  Top w0.7: R11.1 66.95,37.55 C22.2 C3.1 TC1.2
Net-(Q2-C): length 48.1
  Top w0.5: 72.55,48 68.45,47.7 Q3.3 ; 72.55,48 72.2,47.55 72.2,45.3 R10.1 ; 72.55,48 C6.2 C4.2
  Bottom w0.35: X1.2 77.35,33.8 77.35,38.65 R11.2 78.85,40.8 73.15,40.8 71.15,43.2 R10.1
  Bottom w0.5: Q2.2 Q3.3
Net-(Q3-E): length 18.7
  Top w0.35: R9.1 68.55,45 68.55,41.35 Q3.1
  Bottom w0.5: TP3.1 74.8,46.15 70.95,46.15 R9.1
  Bottom w0.7: C9.2 67.65,48.45 R9.1
Net-(U3A-~{E}): length 29
  Top w0.35: U3.11 32.45,81.9 36.25,78.75 36.2,76.05 v1(34.25,74.95) ; v1(20.3,74.6) U3.1
  Bottom w0.35: v1(34.25,74.95) 33.4,74.6 v1(20.3,74.6)

## Copper pours and planes (outline as drawn; the poured copper is in the pictures)
+5V on Top: 4.95,2.8 4.95,1 5.4,0.6 83.25,0.5 84.2,1.45 84.25,12.25 84.05,12.5 83.6,12.55 82.55,12.7 81.65,13.25 81.4,13.55 81.3,14.1 81.3,14.75 81.5,15.3 81.8,15.7 82.45,16.05 84,16.1 84.2,16.45 84.2,22.3 83.9,22.6 82.95,22.65 82.4,22.75 81.8,23.15 81.45,23.5 81.25,24.1 81.25,24.45 81.3,24.85 81.45,25.15 81.6,25.5 82.05,25.85 82.4,26 82.8,26.1 83.8,26.1 84.2,26.4 84.2,122.85 83.2,123.95 57.8,123.95 52.45,119.5 52.45,118.8 52.9,118.2 56.35,118.2 60.05,121.3 61.1,121.3 61.65,121.05 62.15,120.4 62.3,120.1 63.3,119.1 65.85,119.1 66.3,119.3 66.45,119.45 67.3,121.1 67.6,121.35 67.95,121.45 76.1,121.45 76.55,121.15 76.95,120.75 77.1,120.1 77.1,117.05 77.8,116.5 79.9,116.5 80.55,115.9 80.55,114.2 78.8,112.9 78.65,112.75 78.5,112.45 78.45,112.1 78.45,103.25 79.45,101.9 79.45,100.45 78.6,99.4 78.6,96.1 78.7,95.75 78.95,95.5 80.65,94.1 80.65,92.45 78.7,90.75 78.6,90.3 78.6,87 78.85,86.55 80.4,84.75 80.4,78.65 80.6,78.15 81.7,76.65 81.7,67.75 77.2,62.3 77.2,57.7 78.45,56.6 78.45,54.65 80.45,52.9 80.45,51.05 81.5,50.05 81.5,44.9 81,44.35 79.95,44.35 79.95,42.7 81.1,42.7 81.5,42.35 81.5,33.5 80.5,32.55 80.15,31.95 80.15,30.05 79.3,29.1 77.15,29.1 75.5,27.9 75.5,23.2 75,22.6 73,22.6 72.5,22 72.5,16.85 72.7,16.35 73.25,16.05 74.95,16.05 75.45,15.55 75.45,13.4 73.45,11.6 73.45,8.3 73.3,7.85 72.8,7.3 70.7,6.85 69.8,6.05 67.9,3.5 58.9,3.5 57.85,2.75 37.45,2.8 36.45,3.6 36.45,5.5 36.05,6.3 36.05,12.7 36.65,13.85 35.55,14.9 34.7,13.8 34.7,8.15 34.45,7.6 32.7,7.55 31.5,8.9 29.9,9.6 25.05,9.6 23.25,7.8 20.05,7.8 19.25,7.15 19.25,3.65 18.3,2.85 9.65,2.85 8.9,3.4 8.9,4.35 7.4,4.35 7.4,3.6 7.05,3.15 5.45,3.15
+5V on Bottom: 3.7,25.45 3.95,32.15 4.95,30.95 12.2,30.95 12.95,29.55 13.8,28.5 32.95,28.5 34.6,27.2 43.25,27.2 44.5,27.95 48.6,27.95 49.55,28.7 60.5,28.7 61.4,28.2 66.1,28.2 66.8,27.65 69.25,27.65 70.7,29.2 78.65,29.2 79.15,28.75 79.15,27.3 77.8,26 64.15,26 63.55,25.7 55.95,25.7 55.1,26.45 44.95,26.45 43.7,25.65 38,25.65 37.7,25.75 32.75,25.75 32,26.5 4.85,26.5
+5V on Bottom: 3.45,100.1 1.5,100.1 0.8,99.4 0.8,79.65 1.95,79.65 1.95,80.9 5.75,85 5.75,85.8 6.45,86.35 10.65,86.35 15.25,81.7 68.55,81.65 69.25,82.2 72.8,82.2 76.85,84.7 79.6,84.7 80.4,85.25 80.4,87.55 79.9,88.15 73.35,88.15 72.85,87.95 72.65,87.7 72.55,87.3 72.55,83.9 71.7,83.3 44.8,83.3 43.9,84.45 42.3,85.05 39.95,83.3 21.15,83.3 20.7,83.85 20.7,86.1 18,89.1 13.5,89.1 12.7,88.55 11,88.55 9.95,89.55 9.95,92.25 9.15,92.9 7.05,92.9 6.8,92.8 6.6,92.5 6.6,90.65 6.45,90.3 6.1,90 4.2,90 3.65,90.6 3.45,91.35
+5V on Bottom: 79.5,97.55 79.9,98.95 78.2,100.15 76.75,102.15 72.8,102.15 72.25,101.75 72.25,100.4 71.55,99.9 49.8,99.9 49.45,100.15 48.85,101.7 48.15,102.05 44.75,102.15 44.05,101.55 44.05,100.45 43.25,99.9 16.2,99.9 15.35,100.95 14.65,102.05 13.7,102.25 12.75,103.7 5.6,103.7 3.7,106 3.7,115.25 3.6,115.6 3.15,115.9 2.55,115.9 2.15,115.65 2,115.25 2,104.5 4.55,101.85 4.55,100.85 3.45,100.1 3.45,97.15 4.8,98.45 7.45,98.45 8.45,98 72.7,98 73.45,97.55
+5V on Bottom: 0.8,79.65 0.8,1.4 1.55,0.6 13.9,0.6 14.4,1.1 14.4,2.7 14.05,3.05 9.2,3.1 8.85,3.55 8.7,5.7 8.7,10.05 8.1,10.6 5.5,10.6 4.95,11.2 4.95,15.2 3.74,16.5 3.7,25.45 3.95,32.15 3.95,37.4 5.1,38.5 6.65,38.5 7.2,39.05 7.2,42.9 5.7,44.35 5.7,45.3 7.5,46.85 7.5,48.25 8.8,49.45 11.75,49.4 11.75,50.9 11.15,51.2 9.7,52.7 9.7,53.7 10.35,54.35 13.15,54.35 13.55,54.55 15.45,56.85 15.45,59.05 18.5,62.1 22,62.1 24,59.6 35.85,59.6 37.5,61.35 44.35,61.35 46.9,58.8 61,58.8 62.65,60.2 73.9,60.2 75.95,61.15 79.55,61.15 80.95,62.25 80.95,63.85 79.45,64.35 73.45,64.35 73,64.75 69.65,64.75 69,64.2 65.35,64.2 64.6,63.5 62.3,63.5 61.3,64.45 59,64.45 57.4,62.8 48.4,62.8 45.1,65.5 33.3,65.5 32.9,65.3 30.3,65.3 29.95,65.55 25.55,65.55 23.85,67 20.6,67 17.45,69.9 10.15,69.9 8.8,68.75 8.8,66.7 8.2,66.1 7.3,66.1 6.45,66.8 6.45,76.9 6.25,77.3 1.95,79.65
+5V on Bottom: 66.4,43.25 67.75,44.1 68.7,45.25 72.35,45.25 74.5,43.4 78.45,43.4 79.45,44.25 80.5,42.95 79.35,42.2 73.5,42.2 71,44.8 69.05,44.8 67.6,42.4
+5VA on Top: 5.05,117.25 5.05,115.05 6.4,115.05 6.4,115.5 6.6,115.95 7.6,116.6 10.7,116.6 11.35,117.45 11.35,118.35 10.7,118.75 7.1,118.75
+5VA on Bottom: 9.95,118.25 9.95,122.6 11.2,123.9 46.75,123.95 47.15,123.75 47.4,123.4 47.5,122.95 47.5,121.95 47.7,121.55 50.25,119.6 50.55,119.45 50.95,119.35 58.75,119.35 59.1,119.2 59.4,118.9 59.7,118.75 66.55,118.75 67.45,120.1 69.1,120.1 69.1,117.65 68.1,116.5 44.45,116.5 43.8,117.2 43.8,119.1 41.45,121.2 30.2,121.2 29.25,120.45 29.25,119.45 28.55,118.85 23.05,118.7 22.55,118.85 22.3,119.15 22.3,120.3 21.35,121.25 18.9,121.25 17.9,122 13.1,122 12.15,121 12.2,118.2 11.9,117.75 10.15,117.75
GND on Top: 79.05,71.45 77.7,72.75 77.7,79.55 76.7,81 76.7,101.35 76.8,101.45 77.05,101.45 77.2,101.35 77.2,85.65 78.65,83.85 78.65,78.65 78.2,78.1 78.2,74.1 79.8,72.7
GND on Top: 55.25,55.3 55.25,62.4 54.9,64.05 54.9,67.8 55.1,68.25 55.3,68.5 55.75,68.7 59.1,68.7 59.5,68.55 59.75,68.3 59.9,68.05 59.9,63.3 60,62.9 60.4,62.4 63.5,59.7 63.75,59.4 64,58.85 64,55.55 63.5,54.7 58.35,54.7 57.85,56 58.25,56.8 58.25,64.3 57.95,65 57.5,65.1 56.3,65.1 55.85,64.75 55.85,63.1 56.25,62.25 56.25,55.45
GND on Top: 41.85,93.55 41.85,97.75 43.65,99.9 43.65,101.9 43.1,102.8 43.1,110.05 44.35,110.05 44.35,103.2 44.5,102.9 44.5,98.6 43.1,96.9 43.1,93.55
GND on Top: 0.8,1.1 1.2,0.6 3.8,0.6 4.25,1 4.25,4.4 5.4,5.85 9.9,5.85 10.85,6.95 10.85,14.5 9.7,15.7 4.7,15.7 3.9,16.5 3.9,18 7.75,21.3 7.75,37.7 4.3,44.35 4.3,53.6 6.75,56.95 6.75,61.35 5.25,61.35 4,62.1 4,75.95 3.6,76.8 3.6,80.45 3.1,81.3 3.1,86.7 2.55,87.8 2.55,100.25 2.15,100.7 2.15,101.85 2.65,102.45 3.9,102.45 4.45,102.05 4.45,100.3 4,99.7 4,92.85 5.8,92.85 8.3,95.25 8.3,100.25 7.6,100.3 6.85,100.6 6.45,101.05 6.25,101.55 6.25,103.15 4.85,104.95 4.85,108.35 6.5,109.5 6.5,111.15 4.35,113.75 4.35,117.5 7.15,121.4 10.85,121.4 13.25,119.2 15.85,119.2 15.85,119.95 15.95,120.55 16.25,121.1 16.9,121.6 17.45,121.65 18.05,121.6 18.5,121.35 18.85,121.05 19.25,120.85 21.25,120.85 21.75,120.5 22.1,120.05 22.25,119.6 22.25,117.35 22.55,117 28.8,117 29.25,117.5 29.25,119.3 29.35,119.85 29.55,120.35 30,120.7 30.4,120.9 31.1,120.85 31.55,120.7 31.85,120.4 32.15,120.05 32.2,119.75 32.2,118.15 39.15,118.15 39.7,118.75 39.8,119.4 40,119.8 40.4,120.25 40.9,120.45 41.4,120.45 41.85,120.3 42.35,119.95 42.6,119.5 42.8,119.1 42.8,118.65 43.2,118.25 44,118.15 49.95,118.25 52.45,120.45 55.1,122.8 55.1,124.15 47.1,124.15 46.6,123.8 46.6,122.55 46.5,122.05 45.95,121.65 45.7,121.5 45.15,121.45 44.6,121.65 44.1,122 43.8,122.45 43.65,123.1 43.65,123.8 43.1,124.25 28.4,124.25 28,123.95 27.75,123.45 27.75,122.6 27.6,122.15 27.1,121.75 25.55,121.75 24.85,122.15 24.7,122.9 24.7,123.75 24.4,124.15 23.9,124.3 1.4,124.3 0.85,123.75
GND on Bottom: 64.95,59.65 64.95,56.75 69.65,56.75 70.1,56.35 70.1,54.95 69.5,54.25 67,54.25 67,51.5 68.4,51.5 69.1,50.75 71.2,50.75 73,49 76.75,49 79.2,46.05 79.95,45.6 80.9,45.6 81.55,45 81.55,36.8 80.4,35.75 79.95,35.75 79.6,34.3 80.5,33.35 80.5,29.9 79.8,29.2 79.8,26.75 82.25,26.45 83.7,26.45 84.3,27 84.3,61.75 81.3,61.75 79.95,60.6 75.9,60.6 74.3,59.75
GND on Bottom: 5.1,93.4 4,94.25 4,97.1 4.9,97.9 7.45,97.9 8.4,97.35 72.6,97.35 73.4,96.85 80.05,96.85 81.1,97.75 81.1,99.2 79.6,100.8 79.6,102 79.2,102.5 79.2,105.85 79.6,106.25 80.6,106.25 81.95,107.05 81.95,109.15 81.45,109.9 81.45,118 81.9,118.7 78.5,122.2 77.85,121.7 77.3,121.5 74.9,121.5 74.5,121.1 74.1,119.95 72.3,119.95 72.1,120.8 71.55,121.5 62.95,121.5 62.3,121.3 61.6,120 59.8,120 57.75,122 55.25,122 54,120.45 53.3,119.95 50.95,119.9 47.9,122.15 47.9,123.5 48.6,124.2 83.2,124.2 84.2,123.15 84.2,89 77.6,89 77.2,89.1 76.4,90.35 76.05,90.5 70.9,90.5 69.8,91.7 69.8,94.8 69.45,95.1 49.75,95.1 49.15,94.4 48.9,93.95 48.1,92.6 46.85,92.6 45.35,90.85 42.45,90.85 42,91.05 41.65,91.35 41.45,91.65 41.45,94.4 40.95,95.1 40.65,95.2 13.15,95.2 12.5,95.05 11.15,93.75 10.6,93.4
GND on Bottom: 6.05,84.25 2.85,80.95 3.1,79.85 4.55,79.85 5.4,80.7 7.1,80.7 7.5,80.25 7.5,78.4 9.4,76.55 16.65,76.55 18.75,78.6 35.8,78.6 36.8,77.75 37.55,76.25 40.2,76.25 40.65,76.7 40.65,77.6 41.75,78.55 69.8,78.55 70.3,78.05 71.15,76.2 72.15,76.2 73.55,77.25 73.55,79.1 74.45,79.9 79.4,79.9 81.05,78.1 81.05,74.1 80.4,73.15 79.45,73.05 79.45,71.35 80.6,71.35 81.3,70.9 81.3,61.75 84.3,61.75 84.2,89 80.4,89 81.2,88.2 81.2,85.3 80.05,84.2 76.95,84.2 70.4,80.05 69.2,80.05 68.65,80.5 50.5,80.5 50.05,80.05 49,80.05 48,80.95 40.45,80.95 39.35,79.7 38.4,79.7 37.6,80.5 14.7,80.5 10.85,84.3
GND on Bottom: 5.95,18.95 10.9,23.95 28.4,23.95 29.25,23.05 30,21.55 30.85,21.55 31.8,22.5 33.85,22.5 35.45,23.95 45.7,23.95 46.3,24.45 48.4,24.45 49.05,23.95 53.3,23.95 54.1,23.15 54.1,21.75 55.35,20.45 59.75,20.5 60.3,20.8 61.45,20.8 62.25,20.4 63.45,19.2 64.7,19.35 65.95,20.7 68.35,20.7 68.95,19.95 68.95,13 71.5,10.4 73.1,12.7 72.25,13.5 72.25,15.45 73.35,16.35 74.7,16.35 81.35,23.75 81.35,25.5 82.25,26.45 79.8,26.75 78.3,25.45 64.15,25.45 63.7,24.35 63.1,23.1 62.55,22.7 61.8,22.7 61.05,22.95 59.4,25.15 55.9,25.15 54.85,25.9 45.1,25.9 43.95,25.15 32.85,25.15 31.9,26 5.05,26 4.5,25.45 4.5,18.95
